# KiCad board sswkbd_wiring.kicad_pcb (continued)
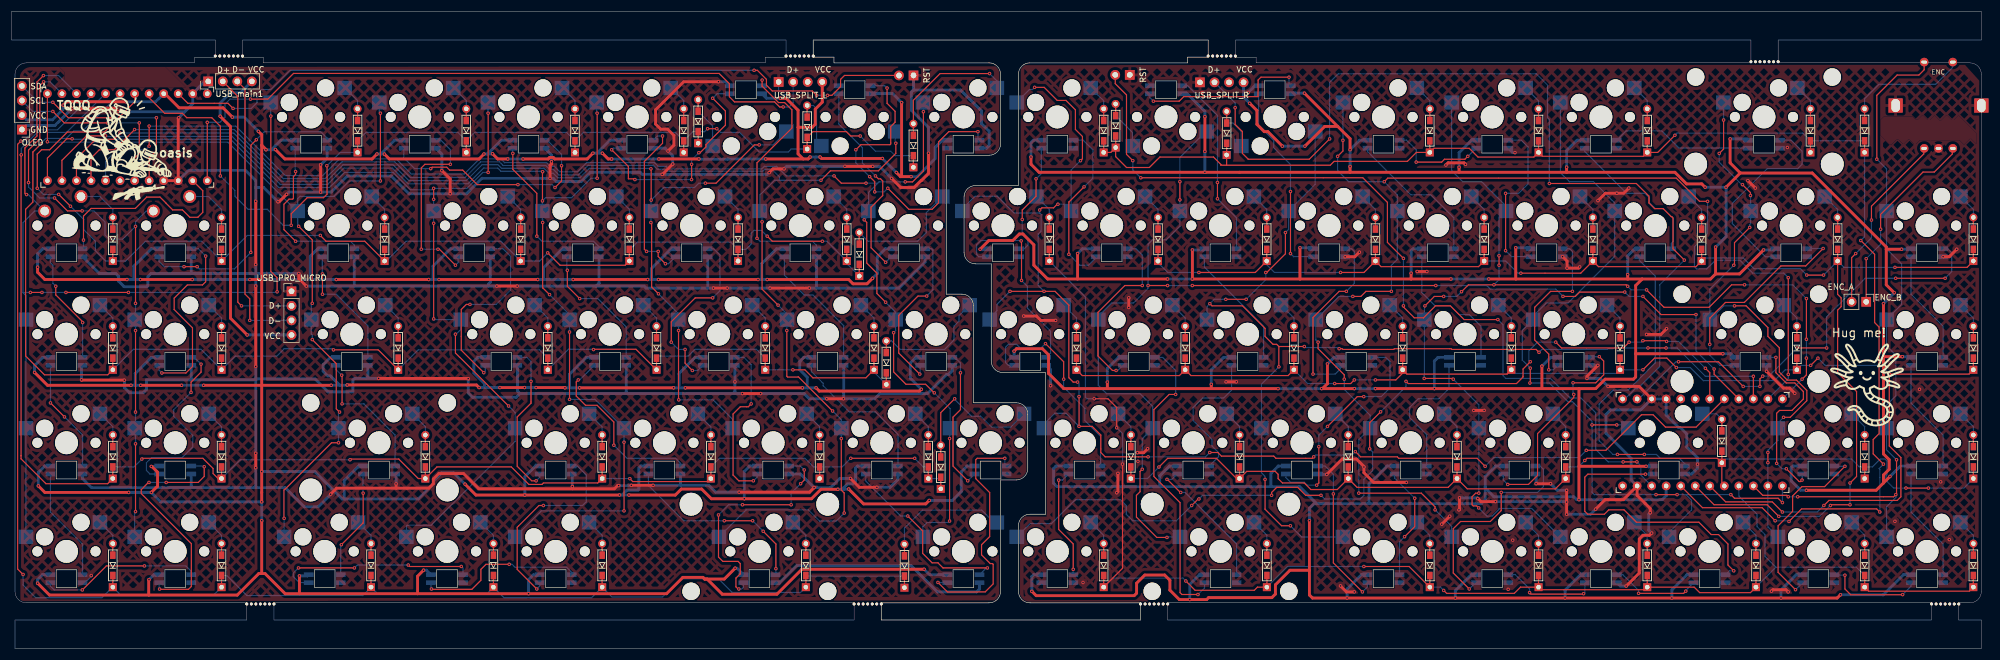
[diagram p0: board, top side]
## Routing (per net, layer and track width the routed paths; a pad name or vN(x,y) marks a point on that pad's centre or on a via; arc(x,y) is an arc through that point) (continued)
Net-(LED64-DOUT): length 32.7
  Top w0.2: v1(233.3,62.49) 232.05,62.49 227.48,57.92 v1(227.48,48.01)
  Bottom w0.2: LED64.2 232.24,48.92 231.33,48.01 v1(227.48,48.01) ; v1(233.3,62.49) 234.7,63.89 234.7,69.5 234.26,69.94 LED65.4
Net-(LED65-DIN): length 34.5
  Top w0.2: v1(223.54,69.1) v1(223.54,79.96)
  Bottom w0.2: v1(223.54,69.1) 224.07,68.56 227.47,68.56 LED65.2 ; 217.96,97.09 217.96,91.54 220.6,88.91 220.6,87.64 223.54,84.7 v1(223.54,79.96)
Net-(LED65-DOUT): length 30.3
  Top w0.2: v1(223.28,99.96) 218.38,99.96 217.88,99.46 217.88,96.56 204.89,96.56 204.09,95.76 v1(199.58,95.76)
  Bottom w0.2: 223.56,98.46 223.28,98.75 v1(223.28,99.96) ; 198.96,97.09 198.96,96.37 v1(199.58,95.76)
Net-(LED67-DOUT): length 33.1
  Top w0.2: v1(210.78,78.68) v1(210.78,81.54)
  Bottom w0.2: v1(210.78,78.68) 214.09,75.37 214.09,69.94 ; 204.56,98.49 204.59,98.46 205.57,98.46 210.78,93.26 v1(210.78,81.54)
Net-(LED68-DOUT): length 21.9
  Bottom w0.2: LED69.4 218.84,56.4 208.49,66.75 208.49,68.56
Net-(LED69-DOUT): length 25.1
  Bottom w0.2: 209.34,31.91 LED70.4 210.97,33.56 210.97,34.3 209.82,35.44 209.82,36.58 206.52,39.89 206.52,42.17 208.17,43.82 211.86,43.82 213.24,45.21 LED69.2
Net-(LED70-DOUT): length 24.4
  Top w0.2: v1(201.95,29.6) 202.01,29.6 204.29,27.31 v1(204.36,27.31)
  Bottom w0.2: 214.12,12.91 214.12,18.32 205.12,27.31 v1(204.36,27.31) ; v1(201.95,29.6) 202.8,29.6 203.74,30.54
Net-(LED71-DOUT): length 53.4
  Top w0.2: v1(203.47,44.46) 202.33,44.46 199.66,41.79 199.66,30.11 204.24,25.54 204.24,9.79 204.57,9.46 v1(207.37,9.46)
  Bottom w0.2: 208.52,11.54 208.52,10.61 v1(207.37,9.46) ; LED72.4 201.19,50.94 203.47,48.65 v1(203.47,44.46)
Net-(LED72-DOUT): length 31.4
  Top w0.2: v1(193.06,48.65) 192.42,48.65 189.88,51.19 189.88,58.81 194.58,63.51 v1(197.63,63.51)
  Bottom w0.2: v1(197.63,63.51) 197.63,68.84 196.54,69.94 195.12,69.94 195.09,69.96 ; v1(193.06,48.65) 193.35,48.65 LED72.2
Net-(LED73-DOUT): length 30.3
  Top w0.2: v1(184.8,68.97) 184.8,78.11 v1(187.46,80.77)
  Bottom w0.2: 185.59,88.94 187.32,88.94 189,87.26 189,82.3 v1(187.46,80.77) ; LED73.2 189.49,68.32 188.23,67.06 186.71,67.06 v1(184.8,68.97)
Net-(LED74-DOUT): length 20.6
  Top w0.2: v1(179.07,82.18) 179.07,79.13 176.66,76.72 v1(176.66,75.07)
  Bottom w0.2: v1(179.07,82.18) 179.99,83.1 179.99,87.56 ; v1(176.66,75.07) 176.66,72.4 177.67,71.38 177.67,70.62 176.99,69.94 176.09,69.94 176.09,69.96
Net-(LED75-DOUT): length 34.9
  Top w0.2: v1(176.47,71.32) 176.53,71.26 v1(176.53,64.4)
  Bottom w0.2: v1(176.47,71.32) 176.4,71.38 175.26,71.38 ; 175.51,71.38 169.42,71.38 168.69,70.66 168.69,68.93 169.09,68.54 LED75.2 ; LED76.4 181.61,51.71 181.61,55.53 177.56,59.57 177.56,63.36 v1(176.53,64.4)
Net-(LED76-DOUT): length 37.7
  Top w0.2: v1(183.9,47.13) 183.9,50.17 v1(180.72,53.35)
  Bottom w0.2: v1(180.72,53.35) 179.76,52.38 176.53,52.38 175.69,53.22 174.24,53.22 173.74,52.71 173.74,50.05 174.24,49.54 174.8,49.54 174.8,49.54 LED76.2 ; LED77.4 190.34,37.14 187.6,39.89 187.6,42.03 183.9,45.73 v1(183.9,47.13)
Net-(LED77-DOUT): length 19.8
  Top w0.2: v1(185.57,13.85) 185.57,18.3 183.03,20.84 v1(183.03,29.47)
  Bottom w0.2: v1(185.57,13.85) 185.57,12.94 185.59,12.91 ; 184.74,30.54 183.68,29.47 v1(183.03,29.47)

## Copper pours and planes (outline as drawn; the poured copper is in the pictures)
GND on Top: 26.92,101.74 30.48,98.18 7.87,98.18 9.27,99.58 9.27,100.85 8.38,101.74
GND on Top, Bottom: 172.64,101.86 172.64,86.58 163.17,86.58 163.17,61.7 167.91,61.7 167.91,42.77 177.38,42.77 177.38,29.81 172.51,29.81 172.64,8.43 1.56,8.3 1.44,101.73
GND2 on Top: 343.41,88.27 342.52,89.16 342.26,89.16 341.25,88.15 340.49,88.91 335.53,88.91 335.41,88.78 335.28,88.78 335.15,88.91 333.5,88.91 332.87,88.27 332.49,88.27 331.72,89.04 331.47,89.04 330.71,88.27 330.58,88.27 329.82,89.04 329.44,89.04 328.55,88.15 328.29,88.15 326.64,89.8 326.64,92.46 327.28,93.1 332.23,93.1 332.74,92.59 333.25,92.59 333.88,93.23 334.14,93.23 334.9,92.46 335.28,92.46 336.04,93.23 336.17,93.23 337.06,92.34 337.19,92.34 338.07,93.23 338.33,93.23 339.09,92.46 339.47,92.46 340.23,93.23 340.36,93.23 343.41,90.18
GND2 on Top, Bottom: 341.42,102.12 176.4,102.07 176.4,80.76 166.74,80.76 166.74,68.04 167.51,67.65 171.52,67.65 171.52,48.6 180.34,48.6 181.05,48.52 180.92,23.07 176.28,23.13 176.27,8.21 260.27,8.21 343.79,8.26 343.91,99.37

## Text on the board
B.Silkscreen: RST | SCL | VCC | SDA | GND | D+ | D- | ENC_A | ENC_B | OLED | USB_main1 | USB_PRO_MICRO | USB_SPLIT_L
F.Mask: SSWKBD_L / PCB designed by Kyle | SSWKBD_R / PCB designed by Kyle
F.Silkscreen: ENC | SCL | VCC | GND | SDA | D+ | D- | ENC_A | ENC_B | USB_SPLIT_R | Hug me!
